# KiCad board skoosk pcb no leds rgb.kicad_pcb
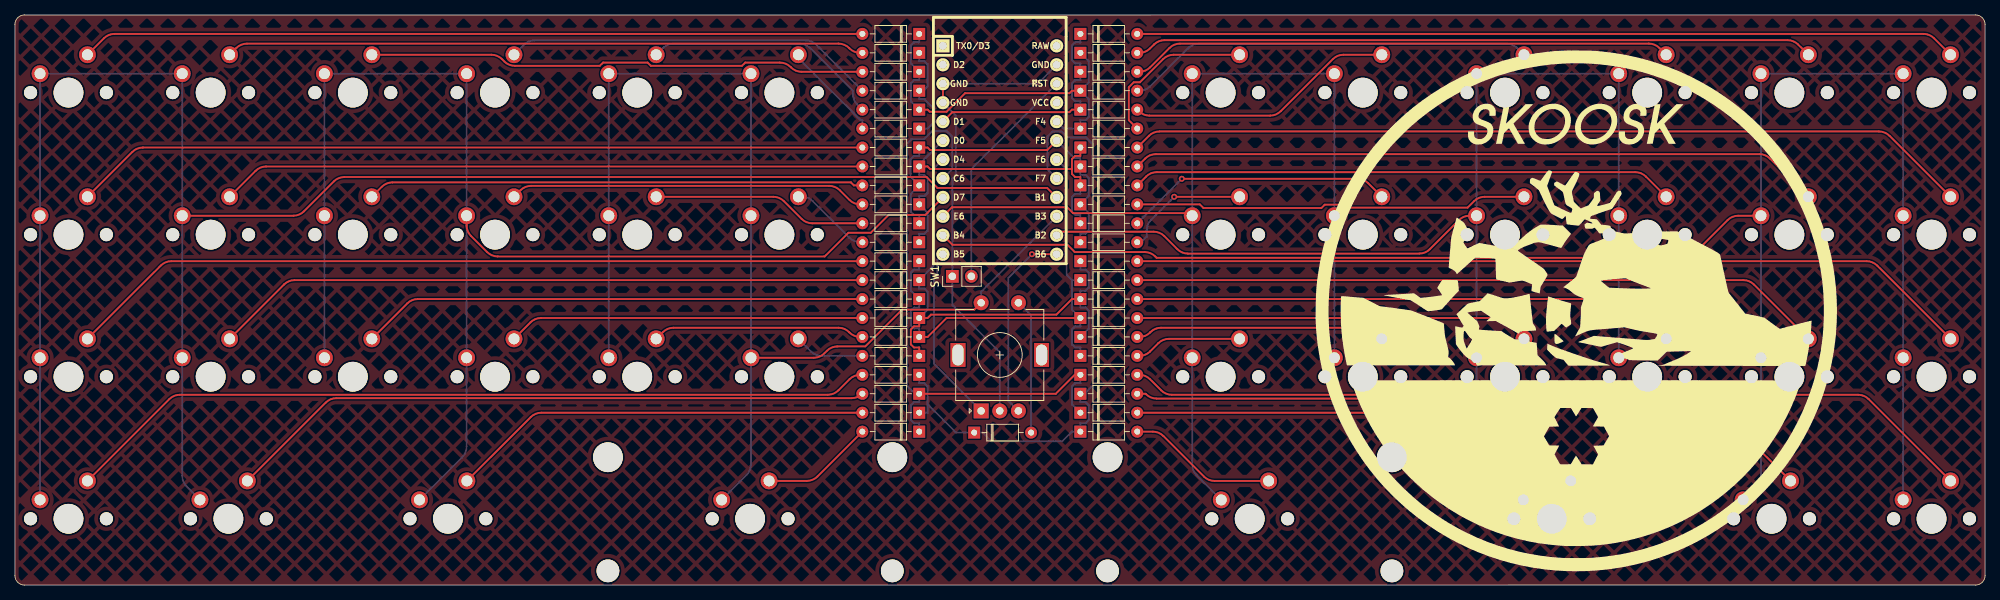
[diagram p0: board, top side]
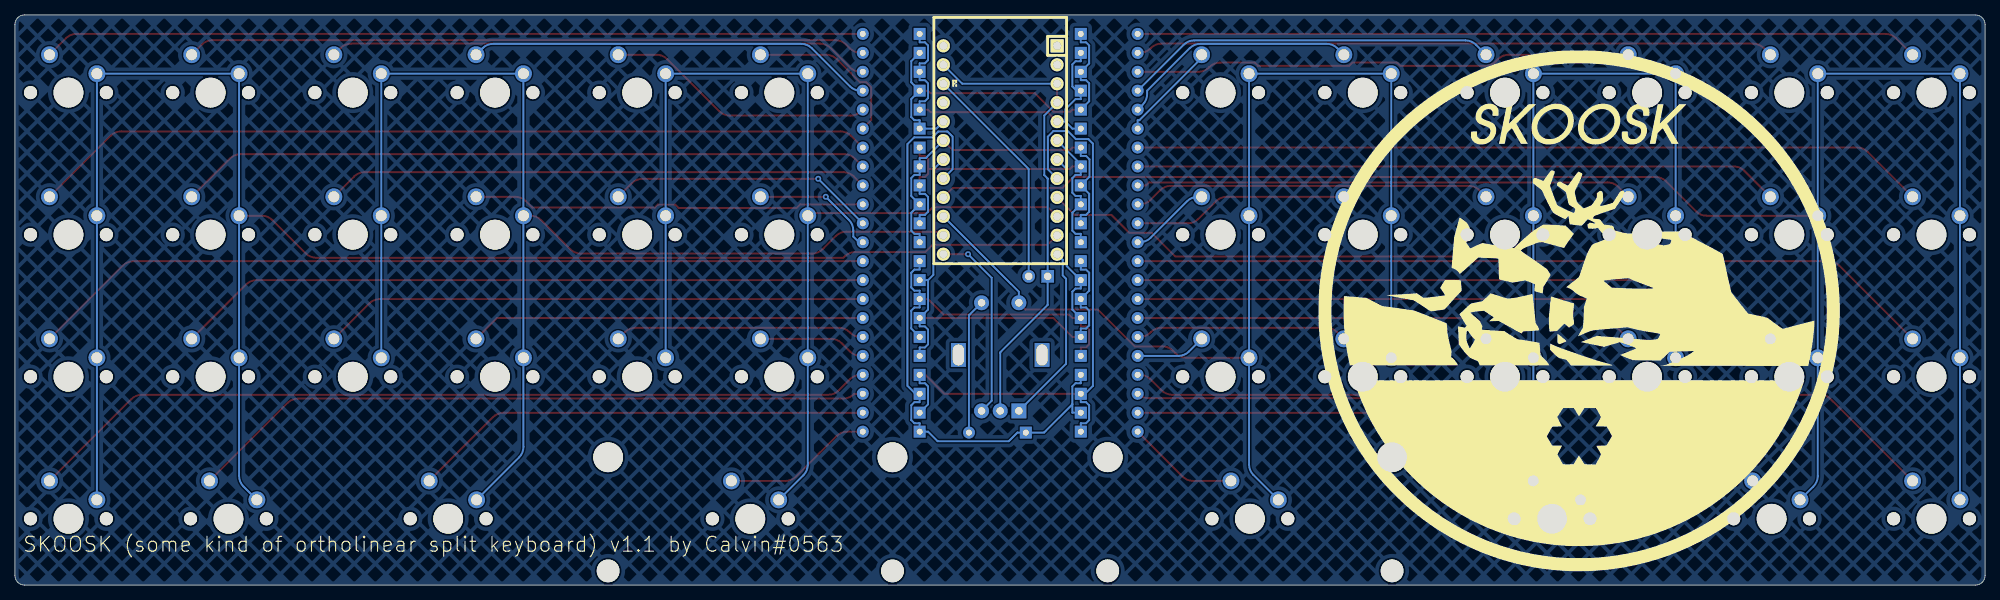
[diagram p1: board, bottom side, seen from below]

Outline 263.96 x 76.46 mm; copper layers: Top, Bottom. Coordinates in mm from the lower left corner of the outline.
Outline path: 0,75.19 0,1.27 arc(0.37,0.37) 1.27,0 262.69,0 arc(263.59,0.37) 263.96,1.27 263.96,75.19 arc(263.59,76.09) 262.69,76.46 1.27,76.46 arc(0.37,76.08) 0,75.19
Stack: Top 0.035mm / dielectric 1.51mm FR4 er 4.5 / Bottom 0.035mm

## Placement (name value [footprint] x y rotation side)
D1  D_Small  [D_DO-35_SOD27_P7.62mm_Horizontal]  121.16 73.92 180 top
D2  D_Small  [D_DO-35_SOD27_P7.62mm_Horizontal]  121.16 71.38 180 top
D3  D_Small  [D_DO-35_SOD27_P7.62mm_Horizontal]  121.16 68.84 180 top
D4  D_Small  [D_DO-35_SOD27_P7.62mm_Horizontal]  121.16 66.3 180 top
D5  D_Small  [D_DO-35_SOD27_P7.62mm_Horizontal]  121.16 63.76 180 top
D6  D_Small  [D_DO-35_SOD27_P7.62mm_Horizontal]  121.16 61.22 180 top
D7  D_Small  [D_DO-35_SOD27_P7.62mm_Horizontal]  142.75 61.22 0 top
D8  D_Small  [D_DO-35_SOD27_P7.62mm_Horizontal]  142.75 63.76 0 top
D9  D_Small  [D_DO-35_SOD27_P7.62mm_Horizontal]  142.75 66.3 0 top
D10  D_Small  [D_DO-35_SOD27_P7.62mm_Horizontal]  142.75 68.84 0 top
D11  D_Small  [D_DO-35_SOD27_P7.62mm_Horizontal]  142.75 71.38 0 top
D12  D_Small  [D_DO-35_SOD27_P7.62mm_Horizontal]  142.75 73.92 0 top
D13  D_Small  [D_DO-35_SOD27_P7.62mm_Horizontal]  121.16 58.68 180 top
D14  D_Small  [D_DO-35_SOD27_P7.62mm_Horizontal]  121.16 56.14 180 top
D15  D_Small  [D_DO-35_SOD27_P7.62mm_Horizontal]  121.16 53.6 180 top
D16  D_Small  [D_DO-35_SOD27_P7.62mm_Horizontal]  121.16 51.06 180 top
D17  D_Small  [D_DO-35_SOD27_P7.62mm_Horizontal]  121.16 48.52 180 top
D18  D_Small  [D_DO-35_SOD27_P7.62mm_Horizontal]  121.16 45.98 180 top
D19  D_Small  [D_DO-35_SOD27_P7.62mm_Horizontal]  142.75 45.98 0 top
D20  D_Small  [D_DO-35_SOD27_P7.62mm_Horizontal]  142.75 48.52 0 top
D21  D_Small  [D_DO-35_SOD27_P7.62mm_Horizontal]  142.75 51.06 0 top
D22  D_Small  [D_DO-35_SOD27_P7.62mm_Horizontal]  142.75 53.6 0 top
D23  D_Small  [D_DO-35_SOD27_P7.62mm_Horizontal]  142.75 56.14 0 top
D24  D_Small  [D_DO-35_SOD27_P7.62mm_Horizontal]  142.75 58.68 0 top
D25  D_Small  [D_DO-35_SOD27_P7.62mm_Horizontal]  121.16 43.44 180 top
D26  D_Small  [D_DO-35_SOD27_P7.62mm_Horizontal]  121.16 40.9 180 top
D27  D_Small  [D_DO-35_SOD27_P7.62mm_Horizontal]  121.16 38.36 180 top
D28  D_Small  [D_DO-35_SOD27_P7.62mm_Horizontal]  121.16 35.82 180 top
D29  D_Small  [D_DO-35_SOD27_P7.62mm_Horizontal]  121.16 33.28 180 top
D30  D_Small  [D_DO-35_SOD27_P7.62mm_Horizontal]  121.16 30.74 180 top
D31  D_Small  [D_DO-35_SOD27_P7.62mm_Horizontal]  142.75 30.74 0 top
D32  D_Small  [D_DO-35_SOD27_P7.62mm_Horizontal]  142.75 33.28 0 top
D33  D_Small  [D_DO-35_SOD27_P7.62mm_Horizontal]  142.75 35.82 0 top
D34  D_Small  [D_DO-35_SOD27_P7.62mm_Horizontal]  142.75 38.36 0 top
D35  D_Small  [D_DO-35_SOD27_P7.62mm_Horizontal]  142.75 40.9 0 top
D36  D_Small  [D_DO-35_SOD27_P7.62mm_Horizontal]  142.75 43.44 0 top
D37  D_Small  [D_DO-35_SOD27_P7.62mm_Horizontal]  121.16 28.2 180 top
D38  D_Small  [D_DO-35_SOD27_P7.62mm_Horizontal]  121.16 25.66 180 top
D39  D_Small  [D_DO-35_SOD27_P7.62mm_Horizontal]  121.16 23.12 180 top
D40  D_Small  [D_DO-35_SOD27_P7.62mm_Horizontal]  121.16 20.58 180 top
D41  D_Small  [D_DO-35_SOD27_P7.62mm_Horizontal]  142.75 20.58 0 top
D42  D_Small  [D_DO-35_SOD27_P7.62mm_Horizontal]  142.75 23.12 0 top
D43  D_Small  [D_DO-35_SOD27_P7.62mm_Horizontal]  142.75 25.66 0 top
D44  D_Small  [D_DO-35_SOD27_P7.62mm_Horizontal]  142.75 28.2 0 top
D51  D_Small  [D_DO-35_SOD27_P7.62mm_Horizontal]  128.52 20.45 0 top
Gback  -  [LOGO]  54.31 36.71 180 bottom
Gfront  -  [LOGO]  209.27 36.71 0 top
MX1  MX-NoLED  [MXOnly-1U-NoLED]  7.18 66.04 0 top
MX2  MX-NoLED  [MXOnly-1U-NoLED]  26.23 66.04 0 top
MX3  MX-NoLED  [MXOnly-1U-NoLED]  45.28 66.04 0 top
MX4  MX-NoLED  [MXOnly-1U-NoLED]  64.33 66.04 0 top
MX5  MX-NoLED  [MXOnly-1U-NoLED]  83.38 66.04 0 top
MX6  MX-NoLED  [MXOnly-1U-NoLED]  102.43 66.04 0 top
MX7  MX-NoLED  [MXOnly-1U-NoLED]  161.54 66.04 0 top
MX8  MX-NoLED  [MXOnly-1U-NoLED]  180.59 66.04 0 top
MX9  MX-NoLED  [MXOnly-1U-NoLED]  199.64 66.04 0 top
MX10  MX-NoLED  [MXOnly-1U-NoLED]  218.69 66.04 0 top
MX11  MX-NoLED  [MXOnly-1U-NoLED]  237.74 66.04 0 top
MX12  MX-NoLED  [MXOnly-1U-NoLED]  256.79 66.04 0 top
MX13  MX-NoLED  [MXOnly-1U-NoLED]  7.18 46.99 0 top
MX14  MX-NoLED  [MXOnly-1U-NoLED]  26.23 46.99 0 top
MX15  MX-NoLED  [MXOnly-1U-NoLED]  45.28 46.99 0 top
MX16  MX-NoLED  [MXOnly-1U-NoLED]  64.33 46.99 0 top
MX17  MX-NoLED  [MXOnly-1U-NoLED]  83.38 46.99 0 top
MX18  MX-NoLED  [MXOnly-1U-NoLED]  102.43 46.99 0 top
MX19  MX-NoLED  [MXOnly-1U-NoLED]  161.54 46.99 0 top
MX20  MX-NoLED  [MXOnly-1U-NoLED]  180.59 46.99 0 top
MX21  MX-NoLED  [MXOnly-1U-NoLED]  199.64 46.99 0 top
MX22  MX-NoLED  [MXOnly-1U-NoLED]  218.69 46.99 0 top
MX23  MX-NoLED  [MXOnly-1U-NoLED]  237.74 46.99 0 top
MX24  MX-NoLED  [MXOnly-1U-NoLED]  256.79 46.99 0 top
MX25  MX-NoLED  [MXOnly-1U-NoLED]  7.18 27.94 0 top
MX26  MX-NoLED  [MXOnly-1U-NoLED]  26.23 27.94 0 top
MX27  MX-NoLED  [MXOnly-1U-NoLED]  45.28 27.94 0 top
MX28  MX-NoLED  [MXOnly-1U-NoLED]  64.33 27.94 0 top
MX29  MX-NoLED  [MXOnly-1U-NoLED]  83.38 27.94 0 top
MX30  MX-NoLED  [MXOnly-1U-NoLED]  102.43 27.94 0 top
MX31  MX-NoLED  [MXOnly-1U-NoLED]  161.54 27.94 0 top
MX32  MX-NoLED  [MXOnly-1U-NoLED]  180.59 27.94 0 top
MX33  MX-NoLED  [MXOnly-1U-NoLED]  199.64 27.94 0 top
MX34  MX-NoLED  [MXOnly-1U-NoLED]  218.69 27.94 0 top
MX35  MX-NoLED  [MXOnly-1U-NoLED]  237.74 27.94 0 top
MX36  MX-NoLED  [MXOnly-1U-NoLED]  256.79 27.94 0 top
MX37  MX-NoLED  [MXOnly-1U-NoLED]  7.18 8.89 0 top
MX38  MX-NoLED  [MXOnly-1.25U-NoLED]  28.6 8.89 0 top
MX39  MX-NoLED  [MXOnly-1.25U-NoLED]  58.01 8.89 0 top
MX40  MX-NoLED  [MXOnly-3U-ReversedStabilizers-NoLED]  98.5 8.89 0 top
MX41  MX-NoLED  [MXOnly-3U-ReversedStabilizers-NoLED]  165.44 8.89 0 top
MX42  MX-NoLED  [MXOnly-1.25U-NoLED]  205.92 8.89 0 top
MX43  MX-NoLED  [MXOnly-1.25U-NoLED]  235.36 8.89 0 top
MX44  MX-NoLED  [MXOnly-1U-NoLED]  256.79 8.89 0 top
SW1  SW_Push  [PinHeader_1x02_P2.54mm_Vertical]  125.6 41.4 90 top
SW2  RotaryEncoder_Switch  [RotaryEncoder_Alps_EC11E-Switch_Vertical_H20mm]  131.95 30.86 90 top
U1  ProMicro  [ArduinoProMicro]  131.95 58.34 270 top

## Library data of the parts
D1-D44 D51 = -: Field4: K

## Footprints (pads in the part's own frame, mm; a bottom-side part is the same pattern mirrored in y, then rotated)
ArduinoProMicro
  rect 1.753x1.753 hole 1.092: 1(-13.97,-7.62)
  round 1.753 hole 1.092: 2(-11.43,-7.62) 3(-8.89,-7.62) 4(-6.35,-7.62) 5(-3.81,-7.62) 6(-1.27,-7.62) 7(1.27,-7.62) 8(3.81,-7.62) 9(6.35,-7.62) 10(8.89,-7.62) 11(11.43,-7.62) 12(13.97,-7.62) 13(13.97,7.62) 14(11.43,7.62) 15(8.89,7.62) 16(6.35,7.62) 17(3.81,7.62) 18(1.27,7.62) 19(-1.27,7.62) 20(-3.81,7.62) 21(-6.35,7.62) 22(-8.89,7.62) 23(-11.43,7.62) 24(-13.97,7.62)
D_DO-35_SOD27_P7.62mm_Horizontal
  rect 1.6x1.6 hole 0.8: 1(0,0)
  oval 1.6x1.6 hole 0.8: 2(7.62,0)
MXOnly-1.25U-NoLED
  round 1.75 hole 1.75 unplated: (-5.08,0) (5.08,0)
  round 3.988 hole 3.988 unplated: (0,0)
  round 2.25 hole 1.47: 1(-3.81,2.54) 2(2.54,5.08)
MXOnly-1U-NoLED
  round 1.75 hole 1.75 unplated: (-5.08,0) (5.08,0)
  round 3.988 hole 3.988 unplated: (0,0)
  round 2.25 hole 1.47: 1(-3.81,2.54) 2(2.54,5.08)
MXOnly-3U-ReversedStabilizers-NoLED
  round 3.988 hole 3.988 unplated: (-19.05,8.255) (0,0) (19.05,8.255)
  round 3.048 hole 3.048 unplated: (-19.05,-6.985) (19.05,-6.985)
  round 1.75 hole 1.75 unplated: (-5.08,0) (5.08,0)
  round 2.25 hole 1.47: 1(-3.81,2.54) 2(2.54,5.08)
PinHeader_1x02_P2.54mm_Vertical
  rect 1.7x1.7 hole 1: 1(0,0)
  oval 1.7x1.7 hole 1: 2(0,-2.54)
RotaryEncoder_Alps_EC11E-Switch_Vertical_H20mm
  rect 2x2 hole 1: A(-7.5,2.5)
  round 2 hole 1: B(-7.5,-2.5) C(-7.5,0) S1(7,-2.5) S2(7,2.5)
  rect 3.2x2 hole 2.8x1.5: MP(0,5.6) MP(0,-5.6)

## Nets
GND: SW1.1 SW2.C U1.3 U1.4 U1.23
VCC: U1.21
COL0: MX1.1 MX2.1 MX13.1 MX14.1 MX25.1 MX26.1 MX37.1 MX38.1 U1.16
COL1: MX3.1 MX4.1 MX15.1 MX16.1 MX27.1 MX28.1 MX39.1 U1.9
COL2: MX5.1 MX6.1 MX17.1 MX18.1 MX29.1 MX30.1 MX40.1 SW2.S2 U1.15
COL3: MX7.1 MX8.1 MX19.1 MX20.1 MX31.1 MX32.1 MX41.1 U1.10
COL4: MX9.1 MX10.1 MX21.1 MX22.1 MX33.1 MX34.1 MX42.1 U1.14
COL5: MX11.1 MX12.1 MX23.1 MX24.1 MX35.1 MX36.1 MX43.1 MX44.1 U1.11
rotary_a: SW2.A U1.12
rotary_b: SW2.B U1.13
ROW0: D1.1 D3.1 D5.1 D7.1 D9.1 D11.1 U1.20
ROW1: D2.1 D4.1 D6.1 D8.1 D10.1 D12.1 U1.5
ROW2: D13.1 D15.1 D17.1 D19.1 D21.1 D23.1 U1.19
ROW3: D14.1 D16.1 D18.1 D20.1 D22.1 D24.1 U1.6
ROW4: D25.1 D27.1 D29.1 D31.1 D33.1 D35.1 U1.18
ROW5: D26.1 D28.1 D30.1 D32.1 D34.1 D36.1 U1.7
ROW6: D37.1 D39.1 D41.1 D43.1 D51.1 U1.17
ROW7: D38.1 D40.1 D42.1 D44.1 U1.8
Net-(D1-Pad2): D1.2 MX1.2
Net-(D2-Pad2): D2.2 MX2.2
Net-(D3-Pad2): D3.2 MX3.2
Net-(D4-Pad2): D4.2 MX4.2
Net-(D5-Pad2): D5.2 MX5.2
Net-(D6-Pad2): D6.2 MX6.2
Net-(D7-Pad2): D7.2 MX7.2
Net-(D8-Pad2): D8.2 MX8.2
Net-(D9-Pad2): D9.2 MX9.2
Net-(D10-Pad2): D10.2 MX10.2
Net-(D11-Pad2): D11.2 MX11.2
Net-(D12-Pad2): D12.2 MX12.2
Net-(D13-Pad2): D13.2 MX13.2
Net-(D14-Pad2): D14.2 MX14.2
Net-(D15-Pad2): D15.2 MX15.2
Net-(D16-Pad2): D16.2 MX16.2
Net-(D17-Pad2): D17.2 MX17.2
Net-(D18-Pad2): D18.2 MX18.2
Net-(D19-Pad2): D19.2 MX19.2
Net-(D20-Pad2): D20.2 MX20.2
Net-(D21-Pad2): D21.2 MX21.2
Net-(D22-Pad2): D22.2 MX22.2
Net-(D23-Pad2): D23.2 MX23.2
Net-(D24-Pad2): D24.2 MX24.2
Net-(D25-Pad2): D25.2 MX25.2
Net-(D26-Pad2): D26.2 MX26.2
Net-(D27-Pad2): D27.2 MX27.2
Net-(D28-Pad2): D28.2 MX28.2
Net-(D29-Pad2): D29.2 MX29.2
Net-(D30-Pad2): D30.2 MX30.2
Net-(D31-Pad2): D31.2 MX31.2
Net-(D32-Pad2): D32.2 MX32.2
Net-(D33-Pad2): D33.2 MX33.2
Net-(D34-Pad2): D34.2 MX34.2
Net-(D35-Pad2): D35.2 MX35.2
Net-(D36-Pad2): D36.2 MX36.2
Net-(D37-Pad2): D37.2 MX37.2
Net-(D38-Pad2): D38.2 MX38.2
Net-(D39-Pad2): D39.2 MX39.2
Net-(D40-Pad2): D40.2 MX40.2
Net-(D41-Pad2): D41.2 MX41.2
Net-(D42-Pad2): D42.2 MX42.2
Net-(D43-Pad2): D43.2 MX43.2
Net-(D44-Pad2): D44.2 MX44.2
Net-(D51-Pad2): D51.2 SW2.S1
Net-(SW1-Pad2): SW1.2 U1.22

Pads without a net: SW2 MP; U1 1 2 24

## Via types
v1: diameter 0.8, hole 0.4, Top to Bottom, 3 vias

## Routing (per net, layer and track width the routed paths; a pad name or vN(x,y) marks a point on that pad's centre or on a via; arc(x,y) is an arc through that point)
GND: length 63.7
  Top w0.254: U1.4 U1.3
  Bottom w0.254: SW2.C 131.95,31.21 125.6,37.57 SW1.1 125.6,54.48 125.57,54.5 126.05,54.98 126.05,62.97 U1.4 ; U1.3 137.03,67.23 U1.23
COL0: length 254.5
  Top w0.254: MX14.1 37.3,49.53 arc(38.07,49.68) 38.71,50.12 42.73,54.14 arc(43.38,54.57) 44.15,54.72 122.14,54.72 123.6,53.26 138.3,53.26 U1.16
  Bottom w0.254: MX37.1 MX25.1 MX13.1 MX1.1 MX2.1 MX14.1 MX26.1 22.42,14.64 arc(22.57,13.87) 23,13.22 MX38.1
COL1: length 187.3
  Top w0.254: U1.9 121.99,49.64 117.06,49.64 114.67,47.25 111.67,47.25 108.5,44.07 64.68,44.07 arc(63.91,44.22) 63.26,44.66 61.1,46.82 arc(60.67,47.47) 60.52,48.23 MX16.1
  Bottom w0.254: MX27.1 MX15.1 MX3.1 MX4.1 MX16.1 MX28.1 60.52,18.57 arc(60.36,17.81) 59.93,17.16 MX39.1
COL2: length 165.3
  Top w0.254: MX30.1 107.03,30.48 arc(107.79,30.63) 108.44,31.07 108.8,31.42 arc(109.44,31.85) 110.21,32.01 113.93,32.01 118.87,36.94 128.54,36.94 SW2.S2
  Bottom w0.254: U1.15 129.45,39.33 SW2.S2 ; MX40.1 98.03,14.77 arc(98.46,15.42) 98.62,16.19 MX30.1 MX18.1 MX6.1 MX5.1 MX17.1 MX29.1
COL3: length 150.2
  Top w0.254: MX19.1 157.39,49.88 141.77,49.88 140.98,50.67 125.55,50.67 U1.10
  Bottom w0.254: MX41.1 158.32,14.74 arc(157.89,15.38) 157.73,16.15 MX31.1 MX19.1 MX7.1 MX8.1 MX20.1 MX32.1
COL4: length 176.2
  Top w0.254: MX21.1 194.88,49.53 arc(194.12,49.38) 193.47,48.95 189.56,45.04 arc(188.91,44.6) 188.15,44.45 157.17,44.45 arc(156.4,44.6) 155.75,45.04 153.99,46.8 arc(153.34,47.24) 152.57,47.39 140.05,47.39 U1.14
  Bottom w0.254: MX42.1 196.42,17.12 arc(195.99,17.77) 195.83,18.53 MX33.1 MX21.1 MX9.1 MX10.1 MX22.1 MX34.1
COL5: length 247.2
  Top w0.254: U1.11 125.6,45.64 141.01,45.64 141.99,44.66 151.36,44.66 arc(152.13,44.51) 152.78,44.08 152.96,43.89 223.58,43.89 arc(224.35,44.04) 225,44.48 229.47,48.95 arc(230.12,49.38) 230.88,49.53 MX23.1
  Bottom w0.254: MX44.1 MX36.1 MX24.1 MX12.1 MX11.1 MX23.1 MX35.1 233.93,14.65 arc(233.78,13.88) 233.35,13.23 MX43.1
rotary_a: length 24.1
  Bottom w0.254: SW2.A 123.13,29.69 123.13,41.08 123.58,41.54 123.58,43.62 U1.12
rotary_b: length 26.2
  Top w0.254: U1.13 v1(136.26,44.37)
  Bottom w0.254: v1(136.26,44.37) 133.1,41.2 133.1,24.72 SW2.B
ROW0: length 51.7
  Top w0.254: D9.1 141.62,66.3 141.29,65.96 127.31,65.96 124.82,63.48 122.56,63.48 122.29,63.76 D5.1
  Bottom w0.254: U1.20 140.51,61.22 D7.1 142.75,62.34 143.45,62.34 143.88,62.77 143.88,65.17 D9.1 143.88,67.42 143.88,70.25 D11.1 ; D5.1 120.03,64.88 120.03,67.29 120.45,67.71 121.16,67.71 D3.1 120.03,69.96 120.03,72.37 120.45,72.79 121.16,72.79 D1.1
ROW1: length 48.7
  Top w0.254: U1.5 125.6,63.42 141.29,63.42 141.62,63.76 D8.1
  Bottom w0.254: 123.22,62.15 123.22,63.81 121.86,65.17 121.16,65.17 121.16,65.73 ; 123.22,62.15 U1.5 ; 123.22,62.15 122.29,61.22 D6.1 ; 121.16,65.73 122.29,66.86 122.29,69.83 121.86,70.25 121.16,70.25 D2.1 ; 121.16,65.73 D4.1 ; D8.1 142.75,64.88 142.04,64.88 141.62,65.31 141.62,67.29 142.04,67.71 142.75,67.71 D10.1 142.75,69.96 142.04,69.96 141.62,70.39 141.62,72.37 142.04,72.79 142.75,72.79 D12.1
ROW2: length 50.1
  Top w0.254: U1.19 138.3,58.34 122.62,58.34 122.29,58.68 D13.1
  Bottom w0.254: D13.1 121.16,57.55 120.45,57.55 119.99,57.09 119.99,54.76 D15.1 120.03,52.47 120.03,50.07 120.45,49.64 121.16,49.64 D17.1 ; D19.1 142.75,47.1 143.45,47.1 143.88,47.53 143.88,49.93 D21.1 143.88,52.18 143.88,54.59 143.45,55.01 142.75,55.01 D23.1 142.75,57.26 141.92,57.26 U1.19
ROW3: length 52.3
  Top w0.254: 141.62,55.8 141.62,57.13 142.04,57.55 142.75,57.55 D24.1 ; 141.62,55.8 122.62,55.8 122.29,56.14 D14.1 ; 141.62,55.8 141.62,55.15 142.04,54.72 142.75,54.72 D22.1
  Bottom w0.254: D22.1 142.75,52.47 142.04,52.47 141.62,52.05 141.62,50.07 142.04,49.64 142.75,49.64 D20.1 ; D18.1 121.16,47.1 121.86,47.1 122.29,47.53 122.29,49.93 D16.1 121.16,52.18 121.86,52.18 122.29,52.61 122.29,54.59 121.86,55.01 121.16,55.01 D14.1 121.16,56.44 U1.6
ROW4: length 66.4
  Top w0.254: D33.1 124.83,35.82 122.29,33.28 D29.1
  Bottom w0.254: 141.62,40.9 141.62,36.94 D33.1 142.75,34.69 142.04,34.69 141.62,34.27 141.62,32.29 142.04,31.86 142.75,31.86 D31.1 ; 141.62,40.9 140.91,41.61 140.91,55.73 U1.18 ; 141.62,40.9 D35.1 ; D25.1 121.16,42.31 120.45,42.31 120.03,41.89 120.03,39.48 D27.1 121.16,37.23 120.45,37.23 120.03,36.81 120.03,34.83 120.45,34.4 121.16,34.4 D29.1
ROW5: length 66.7
  Top w0.254: D34.1 141.62,38.36 139.53,36.27 122.74,36.27 122.29,35.82 D28.1 121.16,34.69 120.45,34.69 120.03,34.27 120.03,32.29 120.45,31.86 121.16,31.86 D30.1
  Bottom w0.254: U1.7 123.03,55.77 123.03,42.77 D26.1 121.16,39.77 121.86,39.77 122.29,39.34 122.29,36.95 D28.1 ; D36.1 142.75,42.31 143.45,42.31 143.88,41.89 143.88,39.91 143.45,39.48 142.75,39.48 D34.1 142.75,37.23 143.45,37.23 143.88,36.81 143.88,34.4 D32.1
ROW6: length 84.9
  Bottom w0.254: D39.1 122.29,23.12 122.29,24.24 ; U1.17 138.33,55.77 138.33,60.14 139.02,60.83 140.25,60.83 141.04,60.04 143.48,60.04 144.38,59.14 144.38,26.73 142.75,25.09 ; 142.75,25.09 142.75,24.53 143.45,24.53 143.88,24.11 143.88,22.13 143.45,21.7 142.75,21.7 D41.1 141.62,20.58 140.34,19.3 130.81,19.3 129.65,20.45 D51.1 126.08,20.45 122.29,24.24 ; 142.75,25.09 D43.1 ; 122.29,24.24 122.29,26.65 121.86,27.07 121.16,27.07 D37.1
ROW7: length 83.9
  Top w0.254: D38.1 139.45,25.66 141.99,28.2 D44.1
  Bottom w0.254: D40.1 121.16,21.7 120.45,21.7 120.03,22.13 120.03,24.11 120.45,24.53 121.16,24.53 121.16,25.09 ; D38.1 121.16,25.09 ; 121.16,25.09 119.54,26.71 119.54,59.21 120.13,59.8 121.82,59.8 122.89,60.88 124.83,60.88 125.57,60.13 125.57,55.77 U1.8 ; D42.1 141.62,24.24 141.62,26.65 142.04,27.07 142.75,27.07 D44.1
Net-(D1-Pad2): length 104.9
  Top w0.254: MX1.2 11.92,73.33 arc(12.57,73.76) 13.34,73.92 D1.2
Net-(D2-Pad2): length 85.6
  Top w0.254: D2.2 113.24,71.38 arc(112.47,71.53) 111.83,71.96 111.76,72.03 arc(111.11,72.46) 110.35,72.61 31.08,72.61 arc(30.32,72.46) 29.67,72.03 MX2.2
Net-(D3-Pad2): length 67
  Top w0.254: D3.2 105.39,68.84 arc(104.63,68.99) 103.98,69.42 103.92,69.48 arc(103.27,69.92) 102.5,70.07 97.85,70.07 97.41,69.63 85.2,69.63 84.77,70.07 78.8,70.07 78.36,69.63 66.98,69.63 arc(66.22,69.79) 65.57,70.22 65.25,70.54 arc(64.6,70.97) 63.84,71.12 MX3.2
Net-(D4-Pad2): length 50.1
  Bottom w0.254: MX4.2 68.2,72.46 arc(68.85,72.89) 69.61,73.04 105.96,73.04 arc(106.73,72.89) 107.38,72.46 D4.2
Net-(D5-Pad2): length 32.4
  Bottom w0.254: MX5.2 86.8,72 arc(87.44,72.44) 88.21,72.59 105.15,72.59 arc(105.91,72.44) 106.56,72 112.27,66.3 112.27,65.85 arc(112.42,65.09) 112.85,64.44 D5.2
Net-(D6-Pad2): length 13.6
  Bottom w0.254: MX6.2 104.97,70.68 113.3,62.34 113.54,62.34 D6.2
Net-(D7-Pad2): length 22.6
  Top w0.254: MX7.2 155.25,71.12 arc(154.49,70.97) 153.84,70.54 150.72,67.42 149.9,67.42 149.24,66.76 149.24,62.34 D7.2
Net-(D8-Pad2): length 36.2
  Top w0.254: MX8.2 177.99,71.12 arc(177.23,70.97) 176.58,70.54 169.58,63.54 arc(168.94,63.11) 168.17,62.96 152,62.96 arc(151.23,63.11) 150.58,63.54 D8.2
Net-(D9-Pad2): length 54.8
  Bottom w0.254: D9.2 150.67,66.3 arc(151.43,66.45) 152.08,66.88 157.2,72 arc(157.84,72.43) 158.61,72.58 199.89,72.58 arc(200.66,72.43) 201.31,72 MX9.2
Net-(D10-Pad2): length 72.8
  Top w0.254: D10.2 150.67,68.84 arc(151.43,68.99) 152.08,69.42 154.69,72.03 arc(155.34,72.46) 156.1,72.62 218.91,72.62 arc(219.68,72.46) 220.33,72.03 MX10.2
Net-(D11-Pad2): length 91.2
  Top w0.254: D11.2 150.67,71.38 arc(151.43,71.53) 152.08,71.96 152.61,72.49 arc(153.26,72.92) 154.02,73.07 237.5,73.07 arc(238.27,72.92) 238.92,72.49 MX11.2
Net-(D12-Pad2): length 110
  Top w0.254: D12.2 255.71,73.92 arc(256.48,73.76) 257.13,73.33 MX12.2
Net-(D13-Pad2): length 106.5
  Top w0.254: D13.2 17.15,58.68 arc(16.38,58.52) 15.73,58.09 MX13.2
Net-(D14-Pad2): length 86.4
  Top w0.254: MX14.2 32.24,55.55 arc(32.89,55.98) 33.66,56.14 D14.2
Net-(D15-Pad2): length 66.6
  Top w0.254: D15.2 112.41,53.6 112.01,54 50.57,54 arc(49.81,53.85) 49.16,53.41 MX15.2
Net-(D16-Pad2): length 48
  Top w0.254: MX16.2 67.75,52.95 arc(68.39,53.39) 69.16,53.54 109.1,53.54 arc(109.87,53.39) 110.51,52.95 111.83,51.64 arc(112.47,51.21) 113.24,51.06 D16.2
Net-(D17-Pad2): length 28.9
  Top w0.254: D17.2 106.82,48.52 arc(106.05,48.67) 105.41,49.1 103.02,51.49 arc(102.37,51.92) 101.61,52.07 MX17.2
Net-(D18-Pad2): length 10.9
  Bottom w0.254: MX18.2 105.49,52.07 arc(106.25,51.92) 106.9,51.49 111.83,46.56 arc(112.47,46.13) 113.24,45.98 D18.2
Net-(D19-Pad2): length 17.1
  Top w0.254: MX19.2 v1(155.32,52.07)
  Bottom w0.254: D19.2 150.88,45.98 151.64,46.74 151.64,47.56 arc(151.79,48.33) 152.22,48.98 v1(155.32,52.07)
Net-(D20-Pad2): length 36.2
  Top w0.254: v1(156.34,54.49) 179.89,54.49 arc(180.66,54.33) 181.31,53.9 MX20.2
  Bottom w0.254: D20.2 v1(156.34,54.49)
Net-(D21-Pad2): length 52.9
  Top w0.254: MX21.2 196.91,52.07 arc(196.15,51.92) 195.5,51.49 194.63,50.62 178.24,50.62 177.84,51.01 175.49,51.01 175.05,50.57 159.24,50.57 158.75,51.06 D21.2
Net-(D22-Pad2): length 72.8
  Top w0.254: D22.2 151.56,54.79 arc(152.21,55.22) 152.97,55.37 217.1,55.37 arc(217.87,55.22) 218.52,54.79 MX22.2
Net-(D23-Pad2): length 92.8
  Top w0.254: MX23.2 235.15,57.2 arc(234.51,57.64) 233.74,57.79 152.85,57.79 arc(152.08,57.64) 151.43,57.2 D23.2
Net-(D24-Pad2): length 113.3
  Top w0.254: MX24.2 251.16,60.25 arc(250.51,60.68) 249.74,60.84 153.36,60.84 arc(152.59,60.68) 151.94,60.25 D24.2
Net-(D25-Pad2): length 108.1
  Top w0.254: D25.2 20.96,43.44 arc(20.19,43.28) 19.54,42.85 MX25.2
Net-(D26-Pad2): length 87.9
  Top w0.254: MX26.2 36.05,40.31 arc(36.7,40.74) 37.47,40.9 D26.2
Net-(D27-Pad2): length 67.8
  Top w0.254: MX27.2 52.56,37.77 arc(53.21,38.2) 53.98,38.36 D27.2
Net-(D28-Pad2): length 47.7
  Top w0.254: D28.2 70.49,35.82 arc(69.72,35.66) 69.07,35.23 MX28.2
Net-(D29-Pad2): length 28.5
  Top w0.254: MX29.2 86.82,33.93 arc(87.47,34.36) 88.23,34.51 110.35,34.51 arc(111.11,34.36) 111.76,33.93 111.83,33.86 arc(112.47,33.43) 113.24,33.28 D29.2
Net-(D30-Pad2): length 9.4
  Bottom w0.254: MX30.2 106.67,31.32 arc(107.31,30.89) 108.08,30.74 D30.2
Net-(D31-Pad2): length 14.5
  Top w0.254: D31.2 150.67,30.74 arc(151.43,30.89) 152.08,31.32 153.2,32.44 arc(153.84,32.87) 154.61,33.02 MX31.2
Net-(D32-Pad2): length 33.6
  Top w0.254: MX32.2 182.23,33.93 arc(181.58,34.36) 180.82,34.51 153.56,34.51 arc(152.79,34.36) 152.15,33.93 152.08,33.86 arc(151.43,33.43) 150.67,33.28 D32.2
Net-(D33-Pad2): length 53
  Top w0.254: D33.2 199.39,35.82 MX33.2
Net-(D34-Pad2): length 73
  Top w0.254: D34.2 215.07,38.36 arc(215.84,38.2) 216.49,37.77 MX34.2
Net-(D35-Pad2): length 93.1
  Top w0.254: MX35.2 233,40.31 arc(232.35,40.74) 231.58,40.9 D35.2
Net-(D36-Pad2): length 113.2
  Top w0.254: D36.2 248.09,43.44 arc(248.86,43.28) 249.51,42.85 MX36.2
Net-(D37-Pad2): length 109.5
  Top w0.254: MX37.2 20.68,24.94 arc(21.33,25.37) 22.09,25.52 108.91,25.52 arc(109.67,25.67) 110.32,26.11 111.83,27.61 arc(112.47,28.04) 113.24,28.2 D37.2
Net-(D38-Pad2): length 87.1
  Top w0.254: MX38.2 41.65,24.48 arc(42.3,24.92) 43.06,25.07 112.12,25.07 arc(112.89,25.22) 113.53,25.65 D38.2
Net-(D39-Pad2): length 56.7
  Top w0.254: D39.2 70.53,23.12 arc(69.76,22.96) 69.11,22.53 MX39.2
Net-(D40-Pad2): length 15.1
  Top w0.254: MX40.2 106.11,13.97 arc(106.87,14.12) 107.52,14.56 D40.2
Net-(D41-Pad2): length 20.2
  Top w0.254: MX41.2 160.73,13.97 arc(159.96,14.12) 159.31,14.55 153.87,19.99 arc(153.23,20.42) 152.46,20.58 D41.2
Net-(D42-Pad2): length 61.8
  Top w0.254: D42.2 198.49,23.12 arc(199.25,22.96) 199.9,22.53 MX42.2
Net-(D43-Pad2): length 92.2
  Top w0.254: D43.2 151.5,25.66 151.55,25.6 arc(152.2,25.17) 152.97,25.01 226.03,25.01 arc(226.79,24.86) 227.44,24.43 MX43.2
Net-(D44-Pad2): length 114.6
  Top w0.254: MX44.2 248.37,24.94 arc(247.72,25.37) 246.96,25.52 155,25.52 arc(154.23,25.67) 153.58,26.11 152.08,27.61 arc(151.43,28.04) 150.67,28.2 D44.2
Net-(D51-Pad2): length 18.1
  Bottom w0.254: D51.2 136.14,36.17 SW2.S1
Net-(SW1-Pad2): length 30.6
  Bottom w0.254: U1.22 128.14,55.8 SW1.2

## Copper pours and planes (outline as drawn; the poured copper is in the pictures)
(no net) on Top, Bottom: 272.92,-2.03 -8.89,-2.03 -8.76,76.71 272.8,76.58

## Text on the board
B.Silkscreen: SKOOSK (some kind of ortholinear split keyboard) v1.1 by Calvin#0563
